# Altium PCB S6.PcbDoc (part 5 of 14)
Units mil, origin at the board's own origin, x right, y up, seen from the top; angles counter-clockwise.
Board outline 5250 x 2929.55 mil, 6 copper layers (Top Layer, Mid-Layer 2, Mid-Layer 4, Mid-Layer 3, Mid-Layer 1, Bottom Layer); 345 components, 365 nets, 2233 pads, 960 vias.
Unrouted connection lines stored in the file: 1.
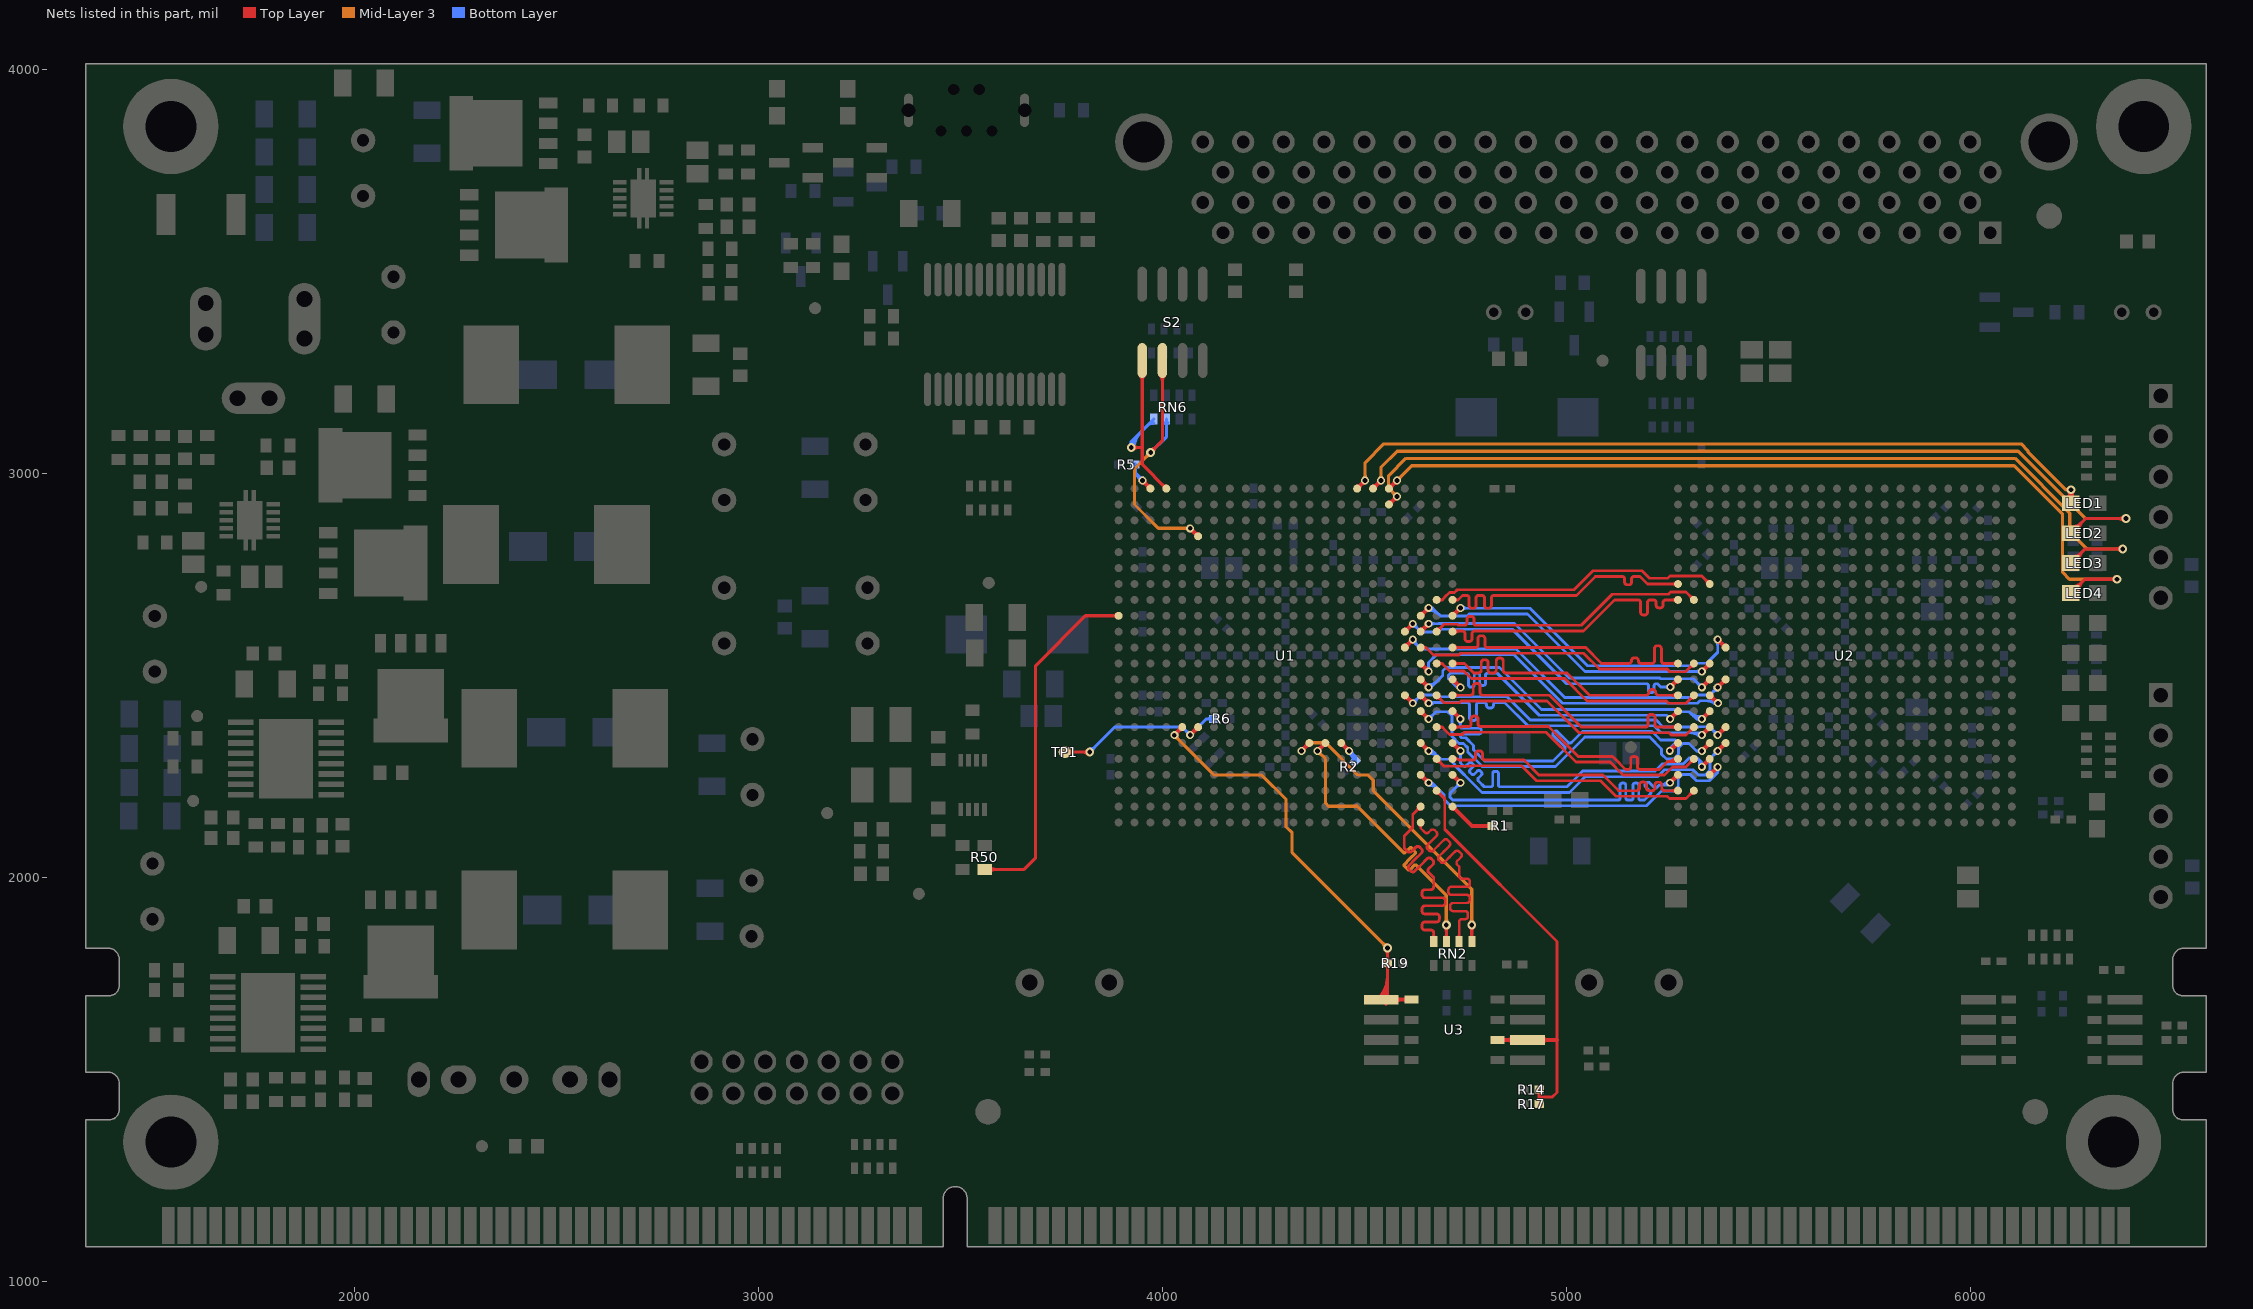
[diagram p9: the nets of this part, all layers, seen from the top]

## Via types
v1: diameter 19.68, hole 11.81, Top Layer to Bottom Layer, tented both sides, 469 vias
v2: diameter 32, hole 18, Top Layer to Bottom Layer, tented both sides, 257 vias
v3: diameter 22, hole 12, Top Layer to Bottom Layer, tented both sides, 185 vias
v4: diameter 25.59, hole 12.99, Top Layer to Bottom Layer, tented bottom, 16 vias
v5: diameter 50, hole 28, Top Layer to Bottom Layer, tented both sides, 15 vias
v6: diameter 23.62, hole 11.81, Top Layer to Bottom Layer, tented bottom, 10 vias
v7: diameter 20, hole 12, Top Layer to Bottom Layer, tented both sides, 5 vias
v8: diameter 21.65, hole 11.81, Top Layer to Bottom Layer, tented both sides, 2 vias
v9: diameter 39.37, hole 39.37, Top Layer to Bottom Layer, 1 vias

## Nets (pads, with @x,y where several pads share a name; then routed paths per layer and width w, separated by ;. In a path a pad name is that pad's centre, name@x,y a point inside that pad or via, vN(x,y) a via of type N, cw(c..) or ccw(c..) an arc to the next point about the centre after c; other vN are vias at no path point) (continued)
FPGA1_B1_11_N: U1.K19 U2.N1 | length 918.6
  Top Layer w10: U1.K19@4600.28,2609.06 v1(4619.96,2628.74) ; U1.K19@4600.28,2613.9 ccw(c4600.28,2625.59) 4608.54,2617.32 ccw(c4616.81,2609.06) U1.K19@4605.12,2609.06 ; v1@4615.12,2628.74 cw(c4603.43,2628.74) 4611.69,2620.47 cw(c4619.96,2612.21) v1@4619.96,2623.9 ; v1(5257.67,2472) U2.N1@5276.61,2490.95 ; v1@5257.67,2476.84 ccw(c5257.67,2488.53) 5265.94,2480.27 ccw(c5274.2,2472) v1@5262.51,2472 ; U2.N1@5271.77,2490.95 cw(c5260.08,2490.95) 5268.35,2482.68 cw(c5276.61,2474.41) U2.N1@5276.61,2486.1
  Bottom Layer w7: v1@4619.96,2622.4 cw(c4619.96,2607.09) 4630.79,2617.91 cw(c4641.62,2628.74) v1@4626.3,2628.74 ; v1(4619.96,2628.74) 4640.3,2608.4 4683.4,2608.4 4690,2615 4866.2,2615 5001.2,2480 5188.6,2480 5198.7,2480 cw(c5198.7,2475.1) 5203.6,2475.1 5203.6,2463.56 ccw(c5208.5,2463.56) 5208.5,2458.66 5212.7,2458.66 ccw(c5212.7,2463.56) 5217.6,2463.56 5217.6,2475.1 cw(c5222.5,2475.1) 5222.5,2480 5226,2480 5234,2472 v1(5257.67,2472) ; v1@5253.18,2467.52 ccw(c5242.36,2456.69) 5242.36,2472 ccw(c5242.36,2487.31) v1@5253.18,2476.48
FPGA1_B1_11_P: U1.K20 U2.N3 | length 919
  Top Layer w10: U1.K20@4639.65,2609.06 v1(4659.33,2628.74) ; U1.K20@4639.65,2613.9 ccw(c4639.65,2625.59) 4647.91,2617.32 ccw(c4656.18,2609.06) U1.K20@4644.49,2609.06 ; v1@4654.49,2628.74 cw(c4642.8,2628.74) 4651.06,2620.47 cw(c4659.33,2612.21) v1@4659.33,2623.9 ; v1(5335.67,2471.26) U2.N3@5355.35,2490.95 ; v1@5335.67,2476.1 ccw(c5335.67,2487.79) 5343.94,2479.53 ccw(c5352.2,2471.26) v1@5340.51,2471.26 ; U2.N3@5350.51,2490.95 cw(c5338.82,2490.95) 5347.09,2482.68 cw(c5355.35,2474.41) U2.N3@5355.35,2486.1
  Bottom Layer w7: v1(4659.33,2628.74) 4683.94,2628.74 4684.2,2629 4872,2629 5007,2494 5231.8,2494 5233.46,2492.34 5314.59,2492.34 v1(5335.67,2471.26) ; v1@4663.82,2624.26 cw(c4674.64,2613.43) 4674.64,2628.74 cw(c4674.64,2644.05) v1@4663.82,2633.23 ; v1@5329.33,2471.26 ccw(c5314.01,2471.26) 5324.84,2482.09 ccw(c5335.67,2492.91) v1@5335.67,2477.6
FPGA1_B1_12_N: U1.H22 U2.G1 | length 769
  Top Layer w7: U1.H22@4718.39,2687.8 4732,2687.8 ; U1.H22@4723.24,2683.72 cw(c4732,2676.36) 4732,2687.8 ; U1.H22@4723.24,2691.88 ccw(c4732,2699.23) 4732,2687.8 ; U2.G1@5272.13,2722.68 ccw(c5261.3,2711.85) 5261.3,2727.17 ccw(c5261.3,2742.48) U2.G1@5272.13,2731.65 ; U2.G1@5276.61,2727.17 5201,2727.17 5182.17,2746 5170,2746 5168.3,2746 ccw(c5168.3,2739.2) 5161.5,2739.2 5161.5,2731.86 cw(c5154.7,2731.86) 5154.7,2725.06 5151.3,2725.06 cw(c5151.3,2731.86) 5144.5,2731.86 5144.5,2739.2 ccw(c5137.7,2739.2) 5137.7,2746 5132,2746 5072,2746 5025,2699 4821.3,2699 ccw(c4821.3,2692.2) 4814.5,2692.2 4814.5,2673.8 cw(c4807.7,2673.8) 4807.7,2667 4804.3,2667 cw(c4804.3,2673.8) 4797.5,2673.8 4797.5,2692.2 ccw(c4790.7,2692.2) 4790.7,2699 4783.3,2699 ccw(c4783.3,2692.2) 4776.5,2692.2 4776.5,2673.8 cw(c4769.7,2673.8) 4769.7,2667 4766.3,2667 cw(c4766.3,2673.8) 4759.5,2673.8 4759.5,2692.2 ccw(c4752.7,2692.2) 4752.7,2699 4743.2,2699 4732,2687.8
FPGA1_B1_12_P: U1.H21 U2.G3 | length 769.9
  Top Layer w7: U1.H21@4679.02,2687.8 4693,2687.8 ; U1.H21@4683.79,2683.62 cw(c4693,2675.55) 4693,2687.8 ; U1.H21@4683.79,2691.97 ccw(c4693,2700.04) 4693,2687.8 ; U2.G3@5349.01,2727.17 ccw(c5333.7,2727.17) 5344.53,2737.99 ccw(c5355.35,2748.82) U2.G3@5355.35,2733.51 ; U2.G3@5355.35,2727.17 5335.52,2747 5256.83,2747 5251,2741.17 5206.8,2741.17 5187.96,2760 5066.2,2760 5019.2,2713 4730.16,2713 4723.3,2706.14 4710.79,2706.14 4700.04,2695.39 4700.04,2694.84 4693,2687.8
FPGA1_B1_13_N: U1.L19 U2.N4 | length 1004.2
  Top Layer w10: U1.L19@4600.28,2569.69 v1(4619.96,2589.37) ; U1.L19@4600.28,2574.53 ccw(c4600.28,2586.22) 4608.54,2577.95 ccw(c4616.81,2569.69) U1.L19@4605.12,2569.69 ; v1@4615.12,2589.37 cw(c4603.43,2589.37) 4611.69,2581.1 cw(c4619.96,2572.84) v1@4619.96,2584.53 ; v1(5375.04,2471.26) U2.N4@5394.72,2490.95 ; v1@5375.04,2476.1 ccw(c5375.04,2487.79) 5383.31,2479.53 ccw(c5391.57,2471.26) v1@5379.88,2471.26 ; U2.N4@5389.88,2490.95 cw(c5378.19,2490.95) 5386.46,2482.68 cw(c5394.72,2474.41) U2.N4@5394.72,2486.1
  Bottom Layer w7: v1@4619.96,2583.03 cw(c4619.96,2575.76) 4625.1,2580.9 ; v1(4619.96,2589.37) 4619.96,2586.04 4640,2566 4876,2566 4883,2559 4996.11,2445.89 5312,2445.89 5318.34,2452.23 5356.01,2452.23 v1(5375.04,2471.26) ; v1@4626.3,2589.37 ccw(c4649.66,2589.37) 4633.14,2572.86 ; v1@5368.7,2471.26 cw(c5353.38,2471.26) 5364.21,2460.43 cw(c5375.04,2449.61) v1@5375.04,2464.92
FPGA1_B1_13_P: U1.M20 U2.P3 | length 999.3
  Top Layer w10: U1.M20@4639.65,2525.47 cw(c4639.65,2513.78) 4647.91,2522.05 cw(c4656.18,2530.32) U1.M20@4644.49,2530.32 ; U1.M20@4639.65,2530.32 v1(4659.33,2510.63) ; v1@4654.49,2510.63 ccw(c4642.8,2510.63) 4651.06,2518.9 ccw(c4659.33,2527.16) v1@4659.33,2515.47 ; U2.P3@5355.35,2446.73 cw(c5355.35,2435.04) 5363.62,2443.31 cw(c5371.89,2451.57) U2.P3@5360.2,2451.57 ; U2.P3@5355.35,2451.57 5374.93,2432 v1(5376,2432) ; 5365.91,2441.02 ccw(c5376,2451.12) v1@5376,2436.84 ; 5368.49,2438.44 cw(c5362.05,2432) v1@5371.16,2432
  Bottom Layer w7: v1@4654.85,2515.11 ccw(c4645.06,2524.9) 4658.9,2524.9 ; 4658.9,2526.98 ccw(c4675.68,2526.98) v1@4663.82,2515.11 ; v1(4659.33,2510.63) 4658.9,2511.06 4658.9,2532.9 4678,2552 4870.2,2552 4990.31,2431.89 5324.66,2431.89 5330.77,2438 5370,2438 v1(5376,2432) ; 5346.2,2438 cw(c5346.2,2402.2) v1@5371.52,2427.52 ; 5363.1,2438 cw(c5363.1,2419.1) v1@5376.46,2432.46
FPGA1_B1_14_N: U1.J22 U2.L4 | length 918.7
  Top Layer w10: U1.J22@4718.39,2648.43 v1(4737.96,2668) ; U1.J22@4718.39,2653.27 ccw(c4718.39,2664.96) 4726.65,2656.69 ccw(c4734.92,2648.43) U1.J22@4723.23,2648.43 ; v1@4733.12,2668 cw(c4721.43,2668) 4729.69,2659.73 cw(c4737.96,2651.47) v1@4737.96,2663.16 ; v1@5375.04,2584.53 cw(c5375.04,2572.84) 5383.31,2581.1 cw(c5391.57,2589.37) v1@5379.88,2589.37 ; v1(5375.04,2589.37) U2.L4@5394.72,2569.69 ; U2.L4@5389.88,2569.69 ccw(c5378.19,2569.69) 5386.46,2577.95 ccw(c5394.72,2586.22) U2.L4@5394.72,2574.53
  Bottom Layer w7: v1(4737.96,2668) 4738.96,2667 4910,2667 5052.37,2524.63 5317.63,2524.63 5324,2531 5348,2531 5375.04,2558.04 v1(5375.04,2589.37) ; v1@4742.45,2663.52 cw(c4750.86,2655.1) 4750.86,2667 ; v1@4742.45,2672.48 ccw(c4755.69,2685.73) 4755.69,2667 ; v1@5370.55,2584.89 cw(c5359.73,2574.06) 5375.04,2574.06 cw(c5390.35,2574.06) v1@5379.52,2584.89
FPGA1_B1_14_P: U1.J20 U2.M3 | length 944.9
  Top Layer w10: U1.J20@4639.65,2648.43 v1(4659.33,2668.11) ; U1.J20@4639.65,2653.27 ccw(c4639.65,2664.96) 4647.91,2656.69 ccw(c4656.18,2648.43) U1.J20@4644.49,2648.43 ; v1@4654.49,2668.11 cw(c4642.8,2668.11) 4651.06,2659.84 cw(c4659.33,2651.58) v1@4659.33,2663.27 ; v1(5335.67,2510.63) U2.M3@5355.35,2530.32 ; v1@5335.67,2515.47 ccw(c5335.67,2527.16) 5343.94,2518.9 ccw(c5352.2,2510.63) v1@5340.51,2510.63 ; U2.M3@5350.51,2530.32 cw(c5338.82,2530.32) 5347.09,2522.05 cw(c5355.35,2513.78) U2.M3@5355.35,2525.47
  Bottom Layer w7: v1@4659.33,2661.77 cw(c4659.33,2624.21) 4685.89,2650.77 ; v1(4659.33,2668.11) 4668.55,2668.11 4689,2647.66 4753.66,2647.66 4759,2653 4904.2,2653 5046.57,2510.63 v1(5335.67,2510.63) ; v1@4659.33,2668.77 cw(c4659.33,2648.1) 4673.94,2662.72 ; v1@5331.18,2506.15 ccw(c5320.36,2495.32) 5320.36,2510.63 ccw(c5320.36,2525.94) v1@5331.18,2515.11
FPGA1_B1_15_N: U1.K22 U2.H1 | length 770.1
  Top Layer w7: U1.K22@4718.39,2609.06 4719.92,2610.59 4742.7,2610.59 cw(c4742.7,2603.79) 4749.5,2603.79 4749.5,2591.39 ccw(c4756.3,2591.39) 4756.3,2584.59 4759.7,2584.59 ccw(c4759.7,2591.39) 4766.5,2591.39 4766.5,2603.79 cw(c4773.3,2603.79) 4773.3,2610.59 4779.24,2610.59 4779.65,2611 4827.7,2611 5043,2611 5119.8,2687.8 5140,2687.8 5177.4,2687.8 cw(c5177.4,2681) 5184.2,2681 5184.2,2657.28 ccw(c5191,2657.28) 5191,2650.48 5194.4,2650.48 ccw(c5194.4,2657.28) 5201.2,2657.28 5201.2,2681 cw(c5208,2681) 5208,2687.8 5215.7,2687.8 cw(c5215.7,2681) 5222.5,2681 5222.5,2674.82 ccw(c5229.3,2674.82) 5229.3,2668.02 5232.7,2668.02 ccw(c5232.7,2674.82) 5239.5,2674.82 5239.5,2681 cw(c5246.3,2681) 5246.3,2687.8 5248,2687.8 U2.H1@5276.61,2687.8 ; U1.K22@4722.87,2604.57 cw(c4737.41,2590.03) 4737.41,2610.59 ; U1.K22@4722.87,2613.54 ccw(c4729.99,2620.66) 4729.99,2610.59 ; U2.H1@5272.13,2683.31 ccw(c5261.3,2672.48) 5261.3,2687.8 ccw(c5261.3,2703.11) U2.H1@5272.13,2692.28
FPGA1_B1_15_P: U1.K21 U2.H2 | length 770.7
  Top Layer w6: U2.H2@5314.56,2687.8 U2.H2@5315.98,2687.8
  Top Layer w7: U1.K21@4679.02,2609.06 4697.36,2627.4 4730.6,2627.4 4733,2625 4746,2625 4747.7,2625 ccw(c4747.7,2631.8) 4754.5,2631.8 4754.5,2640.2 cw(c4761.3,2640.2) 4761.3,2647 4764.7,2647 cw(c4764.7,2640.2) 4771.5,2640.2 4771.5,2628.5 ccw(c4775,2628.5) 4775,2625 5037.2,2625 5114,2701.8 5253,2701.8 5258.2,2707 5296.78,2707 U2.H2@5315.98,2687.8 ; U1.K21@4679.02,2615.4 ccw(c4679.02,2630.71) 4689.84,2619.88 ccw(c4700.67,2609.06) U1.K21@4685.36,2609.06 ; U2.H2@5309.64,2687.8 ccw(c5294.33,2687.8) 5305.16,2698.62 ccw(c5315.98,2709.45) U2.H2@5315.98,2694.14
FPGA1_B1_16_N: U1.L22 U2.M1 | length 762.2
  Top Layer w7: U1.L22@4718.39,2569.69 4773,2569.69 4774.7,2569.69 ccw(c4774.7,2576.49) 4781.5,2576.49 4781.5,2592.2 cw(c4788.3,2592.2) 4788.3,2599 4791.7,2599 cw(c4791.7,2592.2) 4798.5,2592.2 4798.5,2576.49 ccw(c4805.3,2576.49) 4805.3,2569.69 4808,2569.69 5048.31,2569.69 5087.69,2530.32 5133,2530.32 5154.7,2530.32 ccw(c5154.7,2537.11) 5161.5,2537.11 5161.5,2537.51 cw(c5168.3,2537.51) 5168.3,2544.32 5171.7,2544.32 cw(c5171.7,2537.51) 5178.5,2537.51 5178.5,2537.11 ccw(c5185.3,2537.11) 5185.3,2530.31 5195.5,2530.32 5204,2530.32 5211.7,2530.32 ccw(c5211.7,2537.11) 5218.5,2537.11 5218.5,2567.51 cw(c5225.3,2567.51) 5225.3,2574.32 5228.7,2574.32 cw(c5228.7,2567.51) 5235.5,2567.51 5235.5,2537.11 ccw(c5242.3,2537.11) 5242.3,2530.31 5244,2530.32 U2.M1@5276.61,2530.32 ; U1.L22@4722.87,2565.2 cw(c4733.7,2554.37) 4733.7,2569.69 cw(c4733.7,2585) U1.L22@4722.87,2574.17 ; U2.M1@5272.13,2525.83 ccw(c5261.3,2515) 5261.3,2530.32 ccw(c5261.3,2545.63) U2.M1@5272.13,2534.8
FPGA1_B1_16_P: U1.L20 U2.M2 | length 756.4
  Top Layer w7: U1.L20@4639.65,2569.69 4653,2569.69 ; U1.L20@4644.56,2565.68 cw(c4653,2558.8) 4653,2569.69 ; U1.L20@4644.56,2573.69 ccw(c4653,2580.57) 4653,2569.69 ; U2.M2@5309.64,2530.32 cw(c5294.33,2530.32) 5305.16,2519.49 cw(c5315.98,2508.66) U2.M2@5315.98,2523.97 ; U2.M2@5315.98,2530.32 5295.67,2510 5256.31,2510 5250,2516.32 5081.89,2516.32 5042.52,2555.69 4738.69,2555.69 4734.34,2551.34 4671.34,2551.34 4653,2569.69
FPGA1_B1_17_N: U1.M22 U2.P1 | length 771.7
  Top Layer w7: U1.M22@4718.39,2530.32 4747.69,2530.32 4771,2507 4781,2507 4782.7,2507 ccw(c4782.7,2513.8) 4789.5,2513.8 4789.5,2532.54 cw(c4796.3,2532.54) 4796.3,2539.34 4799.7,2539.34 cw(c4799.7,2532.54) 4806.5,2532.54 4806.5,2513.8 ccw(c4813.3,2513.8) 4813.3,2507 4820,2507 ; U1.M22@4722.87,2525.83 cw(c4733.7,2515) 4733.7,2530.32 cw(c4733.7,2545.63) U1.M22@4722.87,2534.8 ; 4818.3,2507 4820,2507 ; U2.P1@5272.13,2447.09 ccw(c5261.3,2436.26) 5261.3,2451.57 ccw(c5261.3,2466.89) U2.P1@5272.13,2456.06 ; U2.P1@5276.61,2451.57 5253.57,2451.57 5248,2451.57 5230,2451.57 5228.3,2451.57 cw(c5228.3,2458.37) 5221.5,2458.37 5221.5,2458.77 ccw(c5214.7,2458.77) 5214.7,2465.57 5211.3,2465.57 ccw(c5211.3,2458.77) 5204.5,2458.77 5204.5,2458.37 cw(c5197.7,2458.37) 5197.7,2451.57 5182,2451.57 5057.43,2451.57 5002,2507 4854.3,2507 4850.6,2507 cw(c4850.6,2513.8) 4843.8,2513.8 4843.8,2536.89 ccw(c4837,2536.89) 4837,2543.69 4833.6,2543.69 ccw(c4833.6,2536.89) 4826.8,2536.89 4826.8,2513.8 cw(c4820,2513.8) 4820,2507
FPGA1_B1_17_P: U1.M21 U2.P2 | length 757.9
  Top Layer w7: U1.M21@4679.02,2530.32 4693,2530.32 ; U1.M21@4683.79,2526.14 cw(c4693,2518.07) 4693,2530.32 ; U1.M21@4683.79,2534.49 ccw(c4693,2542.56) 4693,2530.32 ; U2.P2@5309.64,2451.57 cw(c5294.33,2451.57) 5305.16,2440.75 cw(c5315.98,2429.92) U2.P2@5315.98,2445.23 ; U2.P2@5315.98,2451.57 5296.41,2432 5253.57,2432 5248,2437.57 5051.63,2437.57 4996.2,2493 4765.2,2493 ; 4693,2530.32 4700.04,2523.27 4700.04,2522.72 4710.79,2511.97 4743.97,2511.97 4746.23,2511.97 ; 4746.23,2511.97 4765.2,2493 ; 4746.23,2511.97 4765.2,2493
FPGA1_B1_18_N: U1.N22 U2.R1 | length 927.8
  Top Layer w10: U1.N22@4718.39,2486.1 cw(c4718.39,2474.41) 4726.65,2482.68 cw(c4734.92,2490.95) U1.N22@4723.23,2490.95 ; U1.N22@4718.39,2490.95 v1(4738.33,2471) ; v1@4733.49,2471 ccw(c4721.8,2471) 4730.06,2479.27 ccw(c4738.33,2487.53) v1@4738.33,2475.84 ; v1(5257.41,2393) U2.R1@5276.61,2412.2 ; v1@5257.41,2397.84 ccw(c5257.41,2409.53) 5265.68,2401.27 ccw(c5273.94,2393) v1@5262.25,2393 ; U2.R1@5271.77,2412.2 cw(c5260.08,2412.2) 5268.35,2403.94 cw(c5276.61,2395.67) U2.R1@5276.61,2407.36
  Bottom Layer w7: 4713.28,2487.72 ccw(c4738.33,2512.77) v1@4738.33,2477.34 ; 4725.23,2475.77 ccw(c4738.33,2488.87) v1@4738.33,2470.34 ; v1(4738.33,2471) 4730,2471 4708,2493 4708,2501 4713,2506 4750,2506 4753.1,2506 cw(c4753.1,2501.1) 4758,2501.1 4758,2476.9 ccw(c4762.9,2476.9) 4762.9,2472 4767.1,2472 ccw(c4767.1,2476.9) 4772,2476.9 4772,2501.1 cw(c4776.9,2501.1) 4776.9,2506 4779,2506 4781.1,2506 cw(c4781.1,2501.1) 4786,2501.1 4786,2481.04 ccw(c4790.9,2481.04) 4790.9,2476.14 4795.1,2476.14 ccw(c4795.1,2481.04) 4800,2481.04 4800,2501.1 cw(c4804.9,2501.1) 4804.9,2506 4810,2506 4829.2,2506 4933.2,2402 5248.41,2402 v1(5257.41,2393)
FPGA1_B1_18_P: U1.N20 U2.R3 | length 984.6
  Top Layer w10: U1.N20@4639.65,2486.1 cw(c4639.65,2474.41) 4647.91,2482.68 cw(c4656.18,2490.95) U1.N20@4644.49,2490.95 ; U1.N20@4639.65,2490.95 v1(4659.33,2471.26) ; v1@4654.49,2471.26 ccw(c4642.8,2471.26) 4651.06,2479.53 ccw(c4659.33,2487.79) v1@4659.33,2476.1 ; v1(5335.67,2392.52) U2.R3@5355.35,2412.2 ; v1@5335.67,2397.36 ccw(c5335.67,2409.05) 5343.94,2400.79 ccw(c5352.2,2392.52) v1@5340.51,2392.52 ; U2.R3@5350.51,2412.2 cw(c5338.82,2412.2) 5347.09,2403.94 cw(c5355.35,2395.67) U2.R3@5355.35,2407.36
  Bottom Layer w7: v1(4659.33,2471.26) 4665.26,2471.26 4694,2500 4694,2512 4702,2520 4707.2,2520 4835,2520 4939,2416 5269,2416 5274.14,2410.86 5304.14,2410.86 ; v1@4659.33,2477.6 ccw(c4659.33,2507.23) 4680.28,2486.28 ; 5315.28,2399.72 ccw(c5334.33,2418.77) v1@5335.7,2391.86 ; v1@5330.71,2388.56 ccw(c5322.48,2381.98) 5322.48,2392.52 ; v1@5330.71,2396.48 cw(c5322.48,2403.06) 5322.48,2392.52 ; v1@5335.35,2398.85 cw(c5333.25,2439.97) 5304.14,2410.86 ; v1(5335.67,2392.52) 5322.48,2392.52 ; 5304.14,2410.86 5322.48,2392.52
FPGA1_B1_19_N: U1.P22 U2.T1 | length 737.1
  Top Layer w7: U1.P22@4718.39,2451.57 4761,2451.57 4762.7,2451.57 ccw(c4762.7,2458.37) 4769.5,2458.37 4769.5,2474.2 cw(c4776.3,2474.2) 4776.3,2481 4779.7,2481 cw(c4779.7,2474.2) 4786.5,2474.2 4786.5,2458.37 ccw(c4793.3,2458.37) 4793.3,2451.57 4796,2451.57 4958.43,2451.57 5037.17,2372.83 5192,2372.83 5195.7,2372.83 ccw(c5195.7,2379.63) 5202.5,2379.63 5202.5,2397.36 cw(c5209.3,2397.36) 5209.3,2404.16 5212.7,2404.16 cw(c5212.7,2397.36) 5219.5,2397.36 5219.5,2379.63 ccw(c5226.3,2379.63) 5226.3,2372.83 5228,2372.83 U2.T1@5276.61,2372.83 ; U1.P22@4722.87,2447.09 cw(c4733.7,2436.26) 4733.7,2451.57 cw(c4733.7,2466.89) U1.P22@4722.87,2456.06 ; U2.T1@5272.13,2368.35 ccw(c5261.3,2357.52) 5261.3,2372.83 ccw(c5261.3,2388.15) U2.T1@5272.13,2377.32
FPGA1_B1_19_P: U1.P21 U2.T2 | length 737.7
  Top Layer w7: U1.P21@4679.02,2445.23 cw(c4679.02,2429.92) 4689.84,2440.75 cw(c4700.67,2451.57) U1.P21@4685.36,2451.57 ; U1.P21@4679.02,2451.57 4697.36,2433.23 4735.23,2433.23 4739.57,2437.57 4952.63,2437.57 5031.37,2358.83 5254,2358.83 5259.83,2353 5296.15,2353 U2.T2@5315.98,2372.83 ; U2.T2@5309.64,2372.83 cw(c5294.33,2372.83) 5305.16,2362.01 cw(c5315.98,2351.18) U2.T2@5315.98,2366.49
FPGA1_B1_20_N: U1.R22 U2.U1 | length 1043.7
  Top Layer w10: U1.R22@4718.39,2407.36 cw(c4718.39,2395.67) 4726.65,2403.94 cw(c4734.92,2412.2) U1.R22@4723.23,2412.2 ; U1.R22@4718.39,2412.2 v1(4737.59,2393) ; v1@4732.75,2393 ccw(c4721.06,2393) 4729.32,2401.27 ccw(c4737.59,2409.53) v1@4737.59,2397.84 ; v1@5256.3,2313.15 U2.U1@5276.61,2333.46 ; v1@5256.3,2318.99 ccw(c5256.3,2333.1) 5266.27,2323.12 ; v1@5261.14,2314.15 cw(c5270.42,2314.15) 5263.86,2320.71 ; U2.U1@5271.77,2333.46 cw(c5260.08,2333.46) 5268.35,2325.2 cw(c5276.61,2316.93) U2.U1@5276.61,2328.62
  Bottom Layer w7: v1@4733.11,2388.52 cw(c4722.28,2377.69) 4737.59,2377.69 cw(c4752.9,2377.69) v1@4742.08,2388.52 ; v1(4737.59,2393) 4737.59,2374.9 ccw(c4742.49,2374.9) 4742.49,2370 4784.69,2370 cw(c4784.69,2365.1) 4789.59,2365.1 4789.59,2360.9 cw(c4784.69,2360.9) 4784.69,2356 4742.49,2356 ccw(c4742.49,2351.1) 4737.59,2351.1 4737.59,2349.41 4740.66,2346.34 4751.25,2346.34 4770.19,2327.4 4770.19,2316.81 4798,2289 4967.2,2289 4994.1,2315.9 4995.59,2317.38 ccw(c4992.12,2320.85) 4995.59,2324.31 4967.86,2352.04 cw(c4971.32,2355.51) 4967.86,2358.97 4970.83,2361.94 cw(c4974.29,2358.48) 4977.76,2361.94 5005.48,2334.21 ccw(c5008.95,2337.68) 5012.41,2334.21 5017.6,2339.4 5040.2,2362 5212.38,2362 5233.23,2341.15 5270.85,2341.15 5274.39,2337.61 5256.3,2319.52 v1(5256.3,2314.15) ; v1@5262.64,2314.15 cw(c5290.92,2314.15) 5270.92,2334.14
FPGA1_B1_20_P: U1.R20 U2.U3 | length 1041.1
  Top Layer w10: U1.R20@4639.65,2407.36 cw(c4639.65,2395.67) 4647.91,2403.94 cw(c4656.18,2412.2) U1.R20@4644.49,2412.2 ; U1.R20@4639.65,2412.2 v1(4659.33,2392.52) ; v1@4654.49,2392.52 ccw(c4642.8,2392.52) 4651.06,2400.79 ccw(c4659.33,2409.05) v1@4659.33,2397.36 ; v1(5335.67,2313.78) U2.U3@5355.35,2333.46 ; v1@5335.67,2318.62 ccw(c5335.67,2330.31) 5343.94,2322.05 ccw(c5352.2,2313.78) v1@5340.51,2313.78 ; U2.U3@5350.51,2333.46 cw(c5338.82,2333.46) 5347.09,2325.2 cw(c5355.35,2316.93) U2.U3@5355.35,2328.62
  Bottom Layer w7: v1(4659.33,2392.52) 4677.67,2410.86 4706.3,2410.86 4717.04,2400.12 4717.04,2395.2 4717.25,2395 4717.25,2349.95 4734.86,2332.34 4745.45,2332.34 4756.19,2321.6 4756.19,2311.01 4792.2,2275 4973,2275 5046,2348 5206.58,2348 5235.96,2318.62 5235.96,2305.72 5247.87,2293.81 5265.73,2293.81 5277.96,2306.04 5277.96,2321.38 5288.7,2332.12 5303.9,2332.12 5322.24,2313.78 ; v1@4659.33,2398.86 ccw(c4659.33,2414.17) 4670.16,2403.35 ccw(c4680.99,2392.52) v1@4665.67,2392.52 ; v1@5330.77,2309.75 ccw(c5322.24,2302.73) 5322.24,2313.78 ; v1@5330.77,2317.81 cw(c5322.24,2324.83) 5322.24,2313.78 ; v1(5335.67,2313.78) 5322.24,2313.78
FPGA1_B1_21_N: U1.T22 U2.V1 | length 768.1
  Top Layer w7: U1.T22@4718.39,2372.83 4741.04,2372.83 4742.2,2374 4757.7,2374 ccw(c4757.7,2380.8) 4764.5,2380.8 4764.5,2393.2 cw(c4771.3,2393.2) 4771.3,2400 4774.7,2400 cw(c4774.7,2393.2) 4781.5,2393.2 4781.5,2380.8 ccw(c4788.3,2380.8) 4788.3,2374 4955.8,2374 5029.7,2300.1 5114.9,2300.1 5119,2296 5147.1,2267.9 5151,2267.9 5153.55,2267.9 ccw(c5153.55,2273.85) 5159.5,2273.85 5159.5,2293.64 cw(c5165.45,2293.64) 5165.45,2299.59 5170.55,2299.59 cw(c5170.55,2293.64) 5176.5,2293.64 5176.5,2273.85 ccw(c5182.45,2273.85) 5182.45,2267.9 5191,2267.9 5231,2267.9 5251.1,2288 ; U1.T22@4722.87,2368.35 cw(c4733.7,2357.52) 4733.7,2372.83 cw(c4733.7,2388.15) U1.T22@4722.87,2377.32 ; 5265.46,2288 ccw(c5265.46,2302.82) U2.V1@5277.13,2293.69 ; U2.V1@5271.62,2298 cw(c5251.1,2314.04) 5251.1,2288 ; U2.V1@5276.61,2294.09 5270.52,2288 5251.1,2288
FPGA1_B1_21_P: U1.T21 U2.V2 | length 752.7
  Top Layer w7: U1.T21@4679.02,2372.83 4693,2372.83 ; U1.T21@4683.79,2368.66 cw(c4693,2360.59) 4693,2372.83 ; U1.T21@4683.79,2377.01 ccw(c4693,2385.08) 4693,2372.83 ; U2.V2@5309.64,2294.09 cw(c5294.33,2294.09) 5305.16,2283.27 cw(c5315.98,2272.44) U2.V2@5315.98,2287.75 ; U2.V2@5315.98,2294.09 5295.89,2274 5262.94,2274 5242.84,2253.9 5141.3,2253.9 5137.2,2258 5109.1,2286.1 5023.9,2286.1 4950,2360 4748,2360 4742.49,2354.49 4710.79,2354.49 4700.04,2365.24 4700.04,2365.79 4693,2372.83